# Allegro board SSOM_K1_Layout.brd (continued)
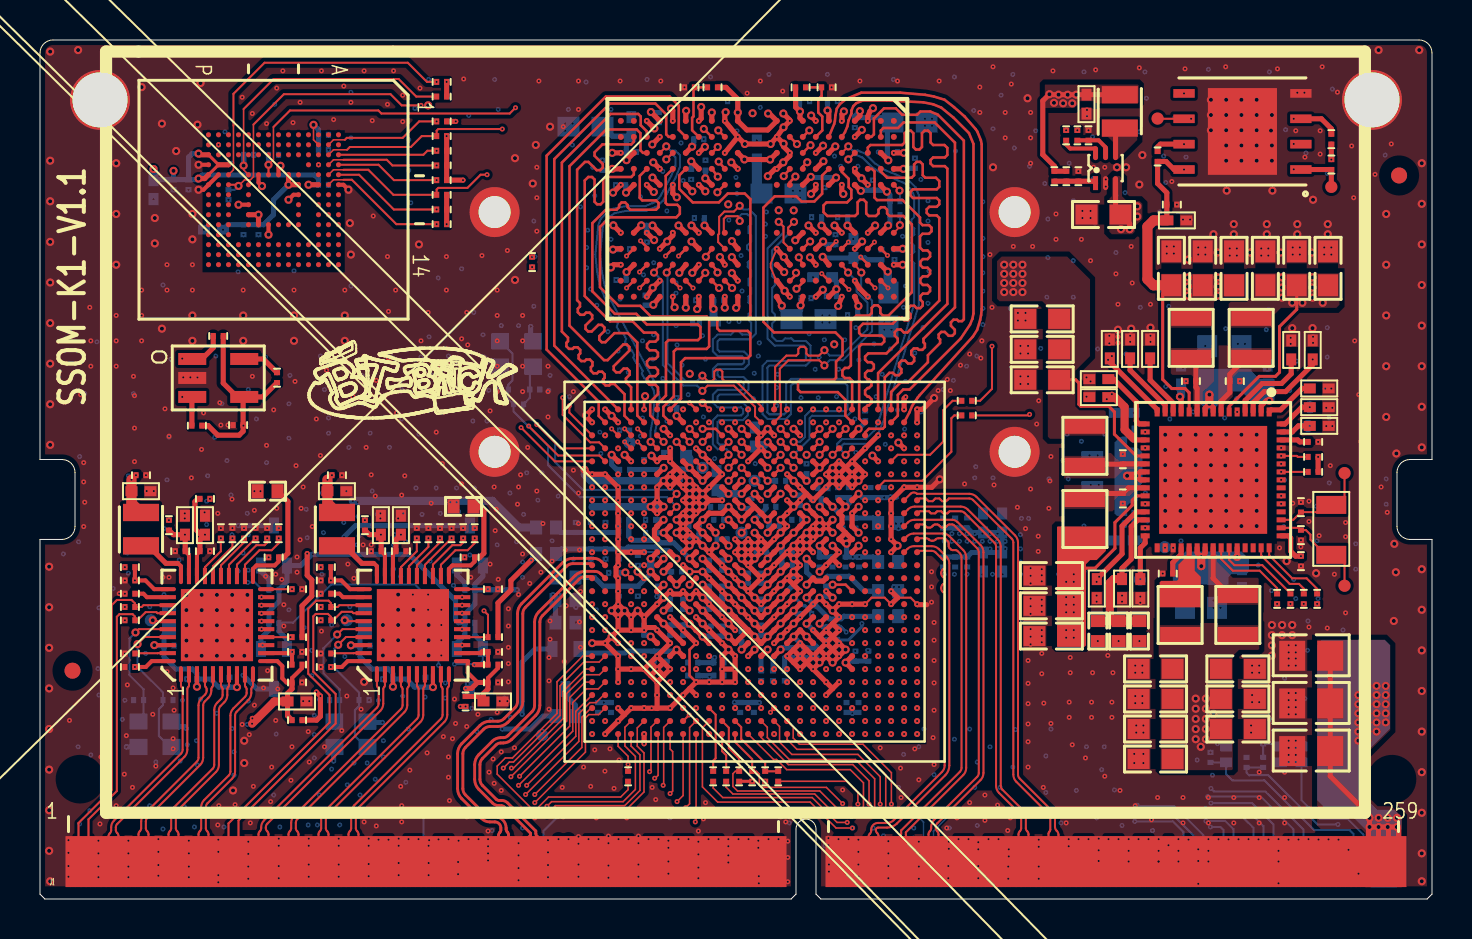
[diagram p0: board, top side]
## Routing (per net, layer and track width the routed paths; a pad name or vN(x,y) marks a point on that pad's centre or on a via; arc(x,y) is an arc through that point) (continued)
EMMC_D2: length 60.4
  TOP w0.102: U7.A5 15.95,36.25 17.69,34.51 v1(19.83,34.51)
  L3 w0.102: v1(43.86,23.21) 45.76,23.21 51.38,28.83 51.38,35.51 45.64,41.25 24.03,41.25 22.35,39.57 22.35,38.15 20.22,36.02 20.22,34.9 v1(19.83,34.51)
EMMC_D3: length 61.6
  TOP w0.076: U7.B2 14.67,38 15.24,38
  TOP w0.102: 15.24,38 15.34,38.1 18.14,38.1 18.96,38.92 v1(19.83,38.92)
  L3 w0.102: v1(43.21,21.91) 43.55,22.25 46.17,22.25 52.3,28.38 52.3,35.92 46.11,42.11 23.54,42.11 21,39.57 20.48,39.57 v1(19.83,38.92)
EMMC_D4: length 57.1
  TOP w0.076: U7.B3 14.43,37.25 14.67,37.5 15.35,37.5
  TOP w0.102: v1(23.11,38.54) 19.91,38.54 19.83,38.46 R85.1 19.09,38.19 18.54,37.64 15.49,37.64 15.35,37.5
  L3 w0.102: v1(23.11,38.54) 23.25,38.54 25.04,40.34 45.26,40.34 50.47,35.13 50.47,29.33 45.33,24.19 43.09,24.19 41.91,23.01 v1(41.91,22.56)
EMMC_D5: length 64.4
  TOP w0.076: U7.B4 14.67,37 15.17,37
  TOP w0.102: 15.17,37 17.34,37 17.62,36.72 v1(19.83,36.72)
  L3 w0.102: v1(19.83,36.72) 19.46,37.09 19.46,39.01 20.27,39.83 20.83,39.83 23.37,42.37 46.29,42.37 52.6,36.05 52.6,28.25 46.26,21.91 v1(43.86,21.91)
EMMC_D6: length 59.2
  TOP w0.076: U7.B5 14.43,36.25 14.67,36.5 15.17,36.5
  TOP w0.102: 15.17,36.5 16.42,36.5 17.67,35.25 R87.1 19.83,35.51 19.91,35.59 21.37,35.59 22.03,36.26 v1(22.35,36.26)
  L3 w0.102: v1(22.35,36.26) 22.35,37.14 25.3,40.08 45.09,40.08 50.16,35 50.16,29.51 45.17,24.51 43.05,24.51 41.26,22.71 v1(41.26,21.91)
EMMC_D7: length 61.2
  TOP w0.076: 15.17,36 14.67,36 U7.B6
  TOP w0.102: 15.17,36 15.59,36 17.82,33.78 v1(19.83,33.78)
  L3 w0.102: v1(43.21,23.21) 43.53,23.54 45.58,23.54 51.08,29.04 51.08,35.38 45.52,40.94 24.28,40.94 22.66,39.32 22.66,38 20.52,35.86 20.52,34.47 v1(19.83,33.78)
EMMC_DS: length 62.1
  TOP w0.076: 11.67,38.64 11.67,37 v5(11.43,36.75)
  TOP w0.102: U7.H5 v5(11.43,36.75) ; 11.67,38.64 12.5,39.47 16.92,39.47 17.07,39.32 23.49,39.32 v1(23.77,39.61)
  L3 w0.102: v1(42.56,23.21) 43.21,23.86 45.49,23.86 50.77,29.14 50.77,35.25 45.39,40.64 24.81,40.64 v1(23.77,39.61)
  BOTTOM w0.254: R91.2 v5(11.43,36.75)
EXT_32K_IN: length 3.8
  TOP w0.102: R13.2 R14.2 36.26,6.81 35.06,8.01 35.06,8.6 34.76,8.91 U1.AE12
GMAC0_INT_N: length 25.8
  L3 w0.102: v1(41.91,9.56) v2(42.15,9.31)
  L6 w0.102: v2(42.15,9.31) 42.09,9.37 v3(41.81,9.37)
  L7 w0.076: 38.23,11.38 38.48,11.13 40.56,11.13 40.79,10.9 40.79,10.67 41.02,10.44 41.02,10.06 41.71,9.37 v3(41.81,9.37)
  L7 w0.102: v6(21.24,15.48) 21.24,15.15 21.72,14.68 24.38,14.68 27.69,11.38 38.23,11.38
  BOTTOM w0.254: v6(21.24,15.48) 21.24,15.81 20.84,16.21 Q10.2 20.84,16.79
GMAC0_MDC: length 29
  L3 w0.102: v2(42.8,9.32) 42.56,9.56 v1(42.56,9.56) ; v1(21.11,12.71) v2(20.78,12.71)
  L6 w0.102: v3(21.79,15.39) 21.72,15.47 20.9,15.47 20.35,14.91 20.35,13.14 v2(20.78,12.71) ; v2(42.8,9.32) v3(42.55,9.07)
  L7 w0.076: v3(42.55,9.07) 42.55,9.35 41.92,9.97 41.81,9.97 41.67,10.11 41.67,10.14 41.19,10.62 41.16,10.62 40.97,10.81 40.97,11.13 40.79,11.3 38.63,11.3 38.35,11.58
  L7 w0.102: v3(21.79,15.39) 21.79,15.19 22.07,14.91 24.51,14.91 27.84,11.58 38.35,11.58
GMAC0_MDIO: length 29.5
  TOP w0.102: U10.14 R125.2 22.4,14.23 v1(22.2,14.43)
  L3 w0.102: v1(43.21,8.91) v2(43.45,8.66) ; v2(22.17,14.99) 22.2,14.96 v1(22.2,14.43)
  L6 w0.102: v2(43.45,8.66) v3(43.78,8.34) ; v3(22.17,15.37) v2(22.17,14.99)
  L7 w0.076: v3(43.78,8.34) 43.78,8.83 42.49,10.11 42.49,10.31 42.19,10.62 41.73,10.62 41.55,10.8 41.55,11.02 41.07,11.51 38.73,11.51 38.46,11.79
  L7 w0.102: v3(22.17,15.37) 22.43,15.11 24.64,15.11 27.97,11.79 38.46,11.79
GMAC0_REF0_CLK_25M: length 32.4
  TOP w0.102: J1.63 v1(16.93,2.97)
  L3 w0.102: v2(17.27,4.67) 17.22,4.62 17.22,3.27 v1(16.93,2.97) ; v1(42.56,8.26) v2(42.81,8.01)
  L6 w0.102: v2(17.27,4.67) 17.48,4.67 18.49,3.66 22.25,3.66 23.57,4.98 25.6,4.98 27.03,3.56 35.15,3.56 37.64,6.05 41.15,6.05 42.81,7.7 v2(42.81,8.01)
GMAC0_RSTN_L: length 26.1
  L3 w0.102: v1(40.61,12.81) v2(40.84,12.57)
  L5 w0.102: v2(20.73,11.4) 20.93,11.61 30.28,11.61 31.46,10.43 34.86,10.43 35.2,10.77 36.93,10.77 38.66,12.5 39.47,12.5 39.85,12.88 40.54,12.88 v2(40.84,12.57)
  L6 w0.102: v4(20.73,11.76) v2(20.73,11.4)
  BOTTOM w0.102: v4(20.73,11.76) 21.97,11.76 22.14,11.93 Q9.2
  BOTTOM w0.254: Q9.2 22.14,12.81 21.74,13.21 R111.2
GMAC0_RXCLK: length 27.6
  TOP w0.102: v1(18.84,18.06) 18.84,17.41 18.05,16.61 U10.27
  L3 w0.102: v2(38.9,10.61) v3(38.66,10.86) v1(38.66,10.86) ; v1(18.84,18.06) 18.84,17.88 v2(18.34,17.37)
  L6 w0.102: v2(38.9,10.61) v3(38.66,10.86) ; v2(18.34,17.37) v3(18.08,17.12)
  L7 w0.102: v3(38.66,10.86) 38.49,10.86 38.23,11.13 33.99,11.13 33.73,10.87 29.72,10.87 29.46,11.13 27.59,11.13 24.25,14.46 21.42,14.46 18.72,17.17 18.19,17.17 18.14,17.12 v3(18.08,17.12)
GMAC0_RXD0: length 28.9
  TOP w0.102: U10.25 18.85,16.7 20,17.86 v1(20,18.06)
  L3 w0.102: v1(38.66,9.56) v3(38.66,9.56) v2(38.9,9.31) ; v2(19.05,16.61) 20,17.56 v1(20,18.06)
  L6 w0.102: v3(18.54,16.1) v2(19.05,16.61) ; v2(38.9,9.31) v3(38.66,9.56)
  L7 w0.102: v3(18.54,16.1) 18.54,15.7 21.08,13.16 23.78,13.16 26.83,10.11 28.7,10.11 29.01,9.8 34.24,9.8 34.54,10.11 37.47,10.11 37.74,9.83 38.38,9.83 v3(38.66,9.56)
GMAC0_RXD1: length 27.1
  TOP w0.102: v1(20.58,18.06) 19.25,16.73 U10.24
  L3 w0.102: v2(19.41,16.21) 20.32,17.12 20.32,17.8 v1(20.58,18.06) ; v1(38.01,10.86) v3(38.01,10.86) v2(38.25,10.61)
  L6 w0.102: v2(38.25,10.61) v3(38.01,10.86) ; v2(19.41,16.21) v3(19.15,15.95)
  L7 w0.102: v3(38.01,10.86) 37.99,10.87 34.19,10.87 33.88,10.57 29.36,10.57 29.06,10.87 27.36,10.87 24.1,14.12 21.35,14.12 19.52,15.95 v3(19.15,15.95)
GMAC0_RXD2: length 28.5
  TOP w0.102: v1(21.16,18.06) 21.16,17.85 21.03,17.71 20.62,17.71 19.65,16.74 U10.23
  L3 w0.102: v1(38.01,9.56) v3(38.01,9.56) v2(38.25,9.31) ; v1(21.16,18.06) 20.68,17.58 20.68,16.76 v2(19.71,15.8)
  L6 w0.102: v3(19.41,14.38) 19.41,15.49 v2(19.71,15.8) ; v2(38.25,9.31) v3(38.01,9.56)
  L7 w0.102: v3(19.41,14.38) 20.98,12.8 23.72,12.8 26.97,9.55 38,9.55 v3(38.01,9.56)
GMAC0_RXD3: length 28
  TOP w0.102: U10.22 20.05,16.73 20.77,17.46 21.38,17.46 21.74,17.81 v7(21.74,18.06)
  L2 w0.102: v7(21.74,18.06) v8(21.47,17.8)
  L3 w0.102: v8(21.47,17.8) 20.93,17.25 20.93,16.26 v2(20.07,15.39) ; v1(38.01,10.21) v3(38.01,10.21) v2(38.25,9.96)
  L6 w0.102: v3(19.81,14.83) 19.81,15.14 v2(20.07,15.39) ; v2(38.25,9.96) v3(38.01,10.21)
  L7 w0.102: v3(38.01,10.21) 37.65,10.21 37.49,10.36 34.44,10.36 34.14,10.06 29.11,10.06 28.8,10.36 27.02,10.36 23.92,13.46 21.18,13.46 v3(19.81,14.83)
GMAC0_RXDV: length 28.2
  TOP w0.102: v1(19.42,18.06) 19.42,17.63 18.45,16.66 U10.26
  L3 w0.102: v2(38.9,9.96) v3(38.66,10.21) v1(38.66,10.21) ; v2(18.75,17.02) 19.42,17.69 v1(19.42,18.06)
  L6 w0.102: v2(38.9,9.96) v3(38.66,10.21) ; v2(18.75,17.02) v3(18.49,16.76)
  L7 w0.102: v3(18.49,16.76) 18.85,16.41 18.85,15.8 19.3,15.34 19.76,15.34 21.29,13.82 23.98,13.82 27.18,10.62 28.91,10.62 29.21,10.31 34.04,10.31 34.34,10.62 37.69,10.62 37.74,10.57 38.3,10.57 v3(38.66,10.21)
GMAC0_TXCLK: length 23.4
  TOP w0.102: U10.20 22.4,15.51 v1(22.4,15.51)
  L3 w0.102: v1(38.01,8.26) 38.01,8.26 v2(38.25,8.01) ; v2(22.68,15.14) 22.68,15.23 v1(22.4,15.51)
  L6 w0.102: v2(22.68,15.14) 22.86,14.96 22.86,11.07 v3(22.66,10.87) ; v2(38.25,8.01) v3(38.01,8.26)
  L7 w0.102: v3(38.01,8.26) 37.93,8.18 25.83,8.18 23.14,10.87 v3(22.66,10.87)
GMAC0_TXD0: length 23.3
  L3 w0.102: v1(38.66,8.26) 38.66,8.26 v2(38.9,8.01) ; v1(21.11,14.71) 20.78,14.71 v2(20.78,14.71)
  L6 w0.102: v2(38.9,8.01) v3(38.66,8.26) ; v3(22.15,11.23) 22.15,14.12 21.56,14.71 v2(20.78,14.71)
  L7 w0.076: v3(38.66,8.26) 38.4,8.51 37.82,8.51 37.8,8.48
  L7 w0.102: 37.8,8.48 25.96,8.48 23.22,11.23 22.15,11.23 v3(22.15,11.23)
GMAC0_TXD1: length 21.6
  L3 w0.102: v1(21.11,14.31) v2(21.44,14.31) ; v1(38.66,8.91) 38.66,8.91 v2(38.9,8.66)
  L6 w0.102: v2(38.9,8.66) v3(38.66,8.91) ; v3(21.84,12.09) 21.84,13.9 v2(21.44,14.31)
  L7 w0.076: 37.39,9.09 37.44,9.14 38.42,9.14 v3(38.66,8.91)
  L7 w0.102: v3(21.84,12.09) 21.89,12.14 23.52,12.14 26.57,9.09 37.39,9.09
GMAC0_TXD2: length 22.8
  L3 w0.102: v1(21.11,13.91) v2(20.75,13.91) ; v1(39.31,8.26) 39.31,8.26 v2(39.55,8.01)
  L6 w0.102: v3(21.49,11.79) 21.49,13.16 20.75,13.89 v2(20.75,13.91) ; v2(39.55,8.01) v3(39.31,8.26)
  L7 w0.076: 39.29,8.26 38.88,8.66 37.67,8.66 37.64,8.69
  L7 w0.102: 39.29,8.26 v3(39.31,8.26) ; 37.64,8.69 26.11,8.69 23.25,11.55 21.67,11.55 21.49,11.73 v3(21.49,11.79)
GMAC0_TXD3: length 21.6
  L3 w0.102: v1(39.31,8.91) 39.31,8.91 v2(39.55,8.66) ; v1(21.11,13.51) v2(20.87,13.27)
  L6 w0.102: v3(21.18,12.4) 21.18,12.95 v2(20.87,13.27) ; v2(39.55,8.66) v3(39.31,8.91)
  L7 w0.076: v3(39.31,8.91) 39.25,8.91 38.86,9.3 37.28,9.3
  L7 w0.102: 37.28,9.3 26.8,9.3 23.7,12.4 v3(21.18,12.4)
GMAC0_TXEN: length 21.5
  L3 w0.102: v2(38.25,8.66) 38.01,8.91 v1(38.01,8.91) ; v1(21.11,15.11) v2(21.44,15.11)
  L6 w0.102: v2(38.25,8.66) v3(38.01,8.91) ; v3(22.5,11.85) 22.5,14.07 21.47,15.11 v2(21.44,15.11)
  L7 w0.102: v3(22.5,11.85) 23.41,11.85 26.37,8.89 37.54,8.89 37.56,8.91 v3(38.01,8.91)
GMAC1_INT_N: length 52.2
  L3 w0.102: v1(41.91,10.21) v2(42.15,9.96) ; v2(10.03,15.85) 10.41,15.85 10.77,15.49 10.77,12.6 11,12.37 11,5.97 12.67,4.29 15.93,4.29 v2(16.59,4.95)
  L6 w0.102: v2(16.59,4.95) v3(16.84,4.7) ; v2(42.15,9.96) v3(41.91,10.21) ; v4(10.39,15.85) v2(10.03,15.85)
  L7 w0.076: 42.84,8.83 42.84,9.27 v3(41.91,10.21)
  L7 w0.102: 42.84,8.83 42.7,8.69 42.7,6.2 41.12,4.62 16.92,4.62 v3(16.84,4.7)
  BOTTOM w0.102: R175.2 11.12,15.48 10.74,15.85 v4(10.39,15.85)
  BOTTOM w0.254: R175.2 11.45,16.01 11.05,16.41 Q12.2 11.05,16.79
GMAC1_MDC: length 44.9
  L3 w0.102: v2(17.04,5.41) 16.54,5.41 15.7,4.57 12.78,4.57 11.23,6.12 11.23,12.61 v1(11.13,12.71) ; v1(40.61,10.86) v2(40.85,10.61)
  L6 w0.102: v2(17.04,5.41) v3(17.4,5.41) ; v2(40.85,10.61) 40.65,10.61 v3(40.53,10.73)
  L7 w0.076: v3(40.53,10.73) 40.53,10.68 40.84,10.36 40.84,9.98 41.68,9.14 41.68,8.97 41.8,8.85
  L7 w0.102: 41.8,8.85 42.21,8.43 42.21,6.55 40.79,5.13 17.68,5.13 v3(17.4,5.41)
GMAC1_MDIO: length 44.1
  TOP w0.102: U11.14 12.6,13.11 R185.2
  L3 w0.102: v1(41.26,10.21) v2(41.5,9.96) ; v2(15.09,6.55) 14.78,6.25 13.41,6.25 12.53,7.13 v1(12.53,13.11)
  L6 w0.102: v2(41.5,9.96) v3(41.26,10.21) ; v3(15.39,6.25) v2(15.09,6.55)
  L7 w0.076: v3(41.26,10.21) 41.76,9.7 41.88,9.7 42.15,9.44 42.15,8.9
  L7 w0.102: v3(15.39,6.25) 15.7,6.25 17.07,4.88 41,4.88 42.44,6.32 42.44,8.61 42.15,8.9
GMAC1_REF0_CLK_25M: length 32.7
  TOP w0.102: J1.65 v1(17.42,2.97)
  L3 w0.102: v8(41.91,8.91) v2(42.15,8.66) ; v1(17.42,2.97) 17.68,3.23 v2(17.68,5.08)
  L6 w0.102: v2(42.15,8.66) 42.16,8.66 42.48,8.34 42.48,7.84 41.1,6.45 37.44,6.45 34.75,3.76 27.28,3.76 25.81,5.23 23.27,5.23 22.05,4.01 18.75,4.01 v2(17.68,5.08)
GMAC1_RSTN_L: length 44.6
  L3 w0.102: v1(43.86,12.16) v2(44.1,11.91)
  L5 w0.102: v2(44.1,11.91) 44.53,11.91 44.81,12.19 44.81,14.22 44.45,14.58 41.1,14.58 39.3,12.78 38.45,12.78 37.09,11.42 37.09,11.42 36.77,11.1 35.08,11.1 34.68,10.7 31.56,10.7 30.4,11.86 20.62,11.86 v2(20.19,11.43)
  L6 w0.102: v2(44.1,11.91) v3(44.35,12.16) ; v4(19.93,11.7) v2(20.19,11.43)
  BOTTOM w0.102: R171.2 12.65,13.83 14.57,15.75 18.75,15.75 19.93,14.57 v4(19.93,11.7)
  BOTTOM w0.254: R171.2 11.95,13.4 12.35,13 Q11.2
GMAC1_RXCLK: length 44.7
  TOP w0.102: U11.27 8.25,16.61 9.04,17.41 v1(9.04,18.06)
  L3 w0.102: v1(9.04,18.06) 9.04,17.73 12.83,13.94 12.83,9.8 13.84,8.79 17.12,8.79 17.53,8.38 v2(17.63,8.38) ; v1(39.31,11.51) 39.31,11.51 v2(39.55,11.26)
  L6 w0.102: v2(39.55,11.26) 39.55,11.08 v3(39.29,10.82) ; v3(17.88,8.64) v2(17.63,8.38)
  L7 w0.076: v3(39.29,10.82) 39.29,10.03 39.72,9.6 39.72,7.95 39.34,7.57
  L7 w0.102: 39.34,7.57 21.52,7.57 19.76,9.32 18.57,9.32 v3(17.88,8.64)
GMAC1_RXD0: length 41.6
  TOP w0.102: U11.25 9.05,16.7 10.2,17.86 v1(10.2,18.06)
  L3 w0.102: v1(10.2,18.06) 10.2,17.31 13.23,14.27 13.23,10.11 14.05,9.3 17.53,9.3 v2(17.65,9.17) ; v1(39.31,9.56) v3(39.31,9.56) v2(39.55,9.31)
  L6 w0.102: v2(17.65,9.17) 17.93,9.45 v3(17.93,9.5) ; v2(39.55,9.31) v3(39.31,9.56)
  L7 w0.076: 39.34,7.87 39.57,8.1 39.57,9.3 v3(39.31,9.56)
  L7 w0.102: v3(17.93,9.5) 18.08,9.65 19.86,9.65 21.64,7.87 39.34,7.87
GMAC1_RXD1: length 43.7
  TOP w0.102: U11.24 9.45,16.73 v1(10.78,18.06)
  L3 w0.102: v2(18.75,8.53) 18.75,9.25 18.19,9.8 14.38,9.8 13.69,10.49 13.69,14.91 10.78,17.82 v1(10.78,18.06) ; v2(40.2,9.96) v3(39.96,10.21) v8(39.96,10.21)
  L6 w0.102: v2(18.75,8.53) v3(19,8.28) ; v2(40.2,9.96) v3(39.96,10.21)
  L7 w0.076: v3(39.96,10.21) 39.96,9.97 40.37,9.56 40.37,7.56 40.2,7.39
  L7 w0.102: 40.2,7.39 39.56,6.76 20.96,6.76 19.43,8.28 v3(19,8.28)
GMAC1_RXD2: length 42.2
  TOP w0.102: v1(11.36,18.06) 11.36,17.85 11.23,17.71 10.82,17.71 9.85,16.74 U11.23
  L3 w0.102: v2(19.25,8.79) 19.25,9.14 18.39,10.01 14.58,10.01 13.94,10.64 13.94,15.01 11.36,17.6 v1(11.36,18.06) ; v1(39.96,9.56) v3(39.96,9.56) v2(40.2,9.31)
  L6 w0.102: v2(19.25,8.79) v3(19.48,8.56) ; v2(40.2,9.31) v3(39.96,9.56)
  L7 w0.076: v3(39.96,9.56) 40.22,9.3 40.22,7.73 40.05,7.56
  L7 w0.102: v3(19.48,8.56) 19.49,8.56 19.56,8.56 21.16,6.96 39.45,6.96 40.05,7.56
GMAC1_RXD3: length 50.1
  TOP w0.102: U11.22 10.25,16.73 10.97,17.46 11.58,17.46 11.94,17.81 v1(11.94,18.06)
  L3 w0.102: v1(40.61,10.21) v2(40.85,9.96) ; v2(17.88,6.35) 19.76,8.23 19.76,9.09 18.59,10.26 14.73,10.26 14.17,10.82 14.17,15.24 11.94,17.48 v1(11.94,18.06)
  L6 w0.102: v3(18.64,6.1) 18.14,6.1 v2(17.88,6.35) ; v2(40.85,9.96) v3(40.61,10.21)
  L7 w0.076: v3(40.61,10.21) 40.61,9.96 41.5,9.07 41.5,8.65 41.67,8.48 41.67,6.78 41.55,6.66
  L7 w0.102: 41.55,6.66 40.43,5.54 19.2,5.54 v3(18.64,6.1)
GMAC1_RXDV: length 47.1
  TOP w0.102: v1(9.62,18.06) 9.62,17.63 8.65,16.66 U11.26
  L3 w0.102: v2(18.43,7.45) 18.45,7.48 18.45,8.17 17.83,8.79 17.5,8.79 17.25,9.04 13.92,9.04 13.03,9.93 13.03,14.1 9.62,17.51 v1(9.62,18.06) ; v1(39.96,11.51) v2(40.2,11.26)
  L6 w0.102: v3(40.11,10.72) 40.2,10.81 v2(40.2,11.26) ; v3(18.69,7.19) v2(18.43,7.45)
  L7 w0.076: v3(40.11,10.72) 40.3,10.52 40.3,10.01 41.02,9.3 41.02,7.15 40.89,7.01
  L7 w0.102: v3(18.69,7.19) 19.05,7.19 20.09,6.15 40.02,6.15 40.89,7.01
GMAC1_TXCLK: length 36.6
  TOP w0.102: U11.20 12.6,15.51 v1(12.6,15.51)
  L3 w0.102: v1(12.6,15.51) 12.6,15.49 13.46,14.63 13.46,10.31 14.22,9.55 17.88,9.55 v2(18.26,9.17) ; v2(40.2,8.66) 39.96,8.91 v8(39.96,8.91)
  L6 w0.102: v2(18.26,9.17) 18.41,9.17 v3(18.62,8.97) ; v2(40.2,8.66) v3(39.96,8.91)
  L7 w0.102: v3(39.96,8.91) 39.96,7.81 39.41,7.26 21.36,7.26 19.66,8.97 v3(18.62,8.97)
GMAC1_TXD0: length 41.7
  L3 w0.102: v2(40.85,8.66) 40.61,8.91 v8(40.61,8.91) ; v1(11.07,14.71) 11.13,14.71 12.04,13.79 12.04,6.76 13.11,5.69 15.14,5.69 16.94,7.49 v2(17.63,7.49)
  L6 w0.102: v2(40.85,8.66) v3(40.61,8.91) ; v2(17.63,7.49) v3(17.96,7.49)
  L7 w0.076: 40.73,7.19 40.87,7.33 40.87,8.65 v3(40.61,8.91)
  L7 w0.102: 40.73,7.19 39.89,6.35 20.41,6.35 19.27,7.5 17.96,7.5 v3(17.96,7.49)
GMAC1_TXD1: length 41.4
  L3 w0.102: v1(41.26,8.26) 41.26,8.26 v2(41.5,8.01) ; v1(11.07,14.3) 11.15,14.3 11.84,13.61 11.84,6.58 13.03,5.38 15.29,5.38 16.87,6.96 v2(17.81,6.96)
  L6 w0.102: v2(41.5,8.01) v3(41.26,8.26) ; v2(17.81,6.96) v3(18.16,6.96)
  L7 w0.102: v3(18.16,6.96) 18.22,6.9 18.9,6.9 19.86,5.94 40.12,5.94 41.26,7.08 v3(41.26,8.26)
GMAC1_TXD2: length 42.3
  L3 w0.102: v1(41.26,8.91) 41.26,8.91 v2(41.5,8.66) ; v1(11.08,13.91) 11.63,13.36 11.63,6.43 12.93,5.13 15.39,5.13 16.81,6.55 v2(17.14,6.55)
  L6 w0.102: v2(17.14,6.55) v3(17.48,6.55) ; v2(41.5,8.66) v3(41.26,8.91)
  L7 w0.076: v3(41.26,8.91) 41.26,8.63 41.52,8.37 41.52,7.03 41.37,6.88
  L7 w0.102: 41.37,6.88 40.22,5.74 19.44,5.74 18.63,6.55 v3(17.48,6.55)
GMAC1_TXD3: length 42
  L3 w0.102: v2(17.49,5.96) 16.68,5.96 15.54,4.83 12.9,4.83 11.43,6.3 11.43,13.16 v1(11.08,13.51) ; v1(41.91,8.26) 41.91,8.26 v2(42.15,8.01)
  L6 w0.102: v2(42.15,8.01) v3(41.91,8.26) ; v2(17.49,5.96) v3(17.73,5.71)
  L7 w0.102: v3(41.91,8.26) 41.91,6.66 40.58,5.33 18.11,5.33 v3(17.73,5.71)
GMAC1_TXEN: length 40.7
  L3 w0.102: v2(17.93,7.92) 17.02,7.92 15.04,5.94 13.28,5.94 12.24,6.98 12.24,13.94 v1(11.07,15.11) ; v1(40.61,8.26) 40.61,8.26 v2(40.85,8.01)
  L6 w0.102: v2(40.85,8.01) v3(40.61,8.26) ; v2(17.93,7.92) v3(18.29,7.92)
  L7 w0.102: v3(40.61,8.26) 40.61,8.25 40.61,7.45 39.72,6.55 20.66,6.55 19.29,7.92 v3(18.29,7.92)
GPIO_47: length 19.1
  L3 w0.076: v1(35.41,10.21) 35.65,9.96 35.65,9.31 35.91,9.06 35.91,8.14 37.59,6.45 43.61,6.45 44.96,5.11 44.96,4.7 v2(45.29,4.37)
  L6 w0.076: v4(49.68,2.61) 49.6,2.54 46.38,2.54 45.64,3.28 45.64,4.01 v2(45.29,4.37)
GPIO_48: length 19.3
  L3 w0.076: v2(45.29,3.78) 44.78,4.29 44.78,5.03 43.54,6.27 37.52,6.27 35.76,8.03 35.76,8.95 35.41,9.3 v1(35.41,9.56)
  L6 w0.076: v2(45.29,3.78) 45.29,3.28 46.23,2.34 49.9,2.34 v4(50.17,2.61)
GPIO_74: length 19
  TOP w0.076: U1.Y2 27.96,11.86 27.2,11.86 26,10.67 26,9.19 23.67,6.86 23.47,6.86 v1(23.16,6.55)
  L3 w0.076: v2(27.29,0.98) 27.1,1.17 23.72,1.17 22.73,2.16 22.73,6.12 v1(23.16,6.55)
  L6 w0.102: v4(27.67,1.27) 27.57,1.27 v2(27.29,0.98)
  BOTTOM w0.102: J1.106 v4(27.67,1.27)
GPIO_90: length 18.8
  TOP w0.076: v1(25.76,4.27) 25.98,4.5 26.29,4.5 26.3,4.51 26.58,4.51 26.6,4.5 29.34,4.5 30.2,5.36 30.2,7.32 29.86,7.65 29.86,8.57 U1.AE5
  L3 w0.102: v1(25.76,4.27) 25.76,3.94 v2(25.2,3.38)
  L6 w0.102: v4(33.68,2.39) 33.17,2.9 25.68,2.9 v2(25.2,3.38)
GPIO_91: length 12.3
  TOP w0.076: U1.AE6 30.55,8.6 30.55,6.44 v1(30.48,6.38)
  L3 w0.102: v1(30.48,6.38) 30.35,6.25 v2(30.18,6.25)
  L5 w0.102: v2(30.18,6.25) 30.12,6.2 30.12,4.04 31.95,2.21 33.88,2.21 34.19,1.91 v2(34.19,1.19)
  L6 w0.102: v2(34.19,1.19) v4(34.19,0.84)
  BOTTOM w0.102: J1.132 34.17,1.21 v2(34.19,1.19) v4(34.19,0.84)
  vias: v9(34.29,0.76)
GPIO_92: length 19
  TOP w0.076: U1.AE4 29.24,8.6 29.24,7.66 29.77,7.14 29.77,5.49 29.16,4.88 25.58,4.88 v1(25.35,4.64)
  L3 w0.102: v1(25.35,4.64) 25.14,4.64 v2(24.77,4.27)
  L6 w0.102: v2(24.77,4.27) 24.46,3.96 24.46,3.23 25.3,2.39 32.12,2.39 v4(32.17,2.34)
  BOTTOM w0.102: v4(32.17,2.34) J1.124
GPIO_96: length 23.7
  TOP w0.076: U1.AE10 33.12,8.58 33.12,5.61 33.88,4.85 38.51,4.85 39.8,3.56 v1(40.61,3.56)
  L3 w0.076: 41.58,0.89 41.07,1.4 41.07,3.23 40.74,3.56 v1(40.61,3.56)
  L3 w0.102: v2(49.17,0.74) 49.1,0.74 48.95,0.89 41.58,0.89
  L6 w0.102: v2(49.17,0.74) v4(49.17,1.09)
  BOTTOM w0.102: J1.184 v4(49.17,1.09)
HDMI_CEC: length 11.5
  TOP w0.076: U1.AF6 30.9,8.21 30.9,6.19 30.76,6.05 v1(30.73,6.05)
  L3 w0.102: v1(30.73,6.05) v2(30.51,5.82)
  L5 w0.102: v2(35.17,1.42) 35.17,1.88 34.57,2.49 32.23,2.49 30.51,4.22 v2(30.51,5.82)
  L6 w0.102: v4(35.17,1.07) v2(35.17,1.42)
  BOTTOM w0.102: J1.136 v4(35.17,1.07)
HDMI_HPD: length 11.5
  TOP w0.076: v1(31.16,5.69) 31.18,5.72 31.18,8.59 U1.AE7
  L3 w0.102: v1(31.16,5.69) v2(30.9,5.44)
  L5 w0.102: v2(30.9,5.44) 30.9,4.07 32.18,2.79 34.7,2.79 v2(35.66,1.83)
  L6 w0.102: v2(35.66,1.83) v4(35.66,1.47)
  BOTTOM w0.102: J1.138 35.68,1.49 v4(35.66,1.47)
HDMI_SCL: length 16.3
  L3 w0.076: v2(43.54,4.85) 43.54,5.05 43,5.59 37.24,5.59 34.59,8.23 34.59,8.71 33.46,9.85 v1(33.46,10.21)
  L6 w0.076: v4(43.66,3.05) 43.17,3.54 43.17,4.48 v2(43.54,4.85)
  BOTTOM w0.076: v4(43.66,3.05) 43.68,3.04 J1.162
HDMI_TX0N: length 11.2
  TOP w0.102: J1.135 v1(34.92,3)
  L3 w0.102: v1(34.92,3) 35,3.07 arc(35.04,3.14) 35.06,3.21 35.06,3.41 arc(35.04,3.52) 34.98,3.6 30.07,8.51 arc(29.96,8.68) 29.92,8.87 29.92,10.38 arc(29.96,10.56) 30.06,10.71 v8(30.21,10.86)
HDMI_TX0P: length 10.5
  TOP w0.102: J1.137 v1(35.42,3)
  L3 w0.102: v8(30.21,10.21) 30.16,10.16 30.16,8.87 arc(30.18,8.77) 30.24,8.68 35.14,3.77 arc(35.25,3.6) 35.29,3.41 35.29,3.21 arc(35.31,3.14) 35.35,3.07 v1(35.42,3)
HDMI_TX1N: length 11.8
  TOP w0.102: J1.141 v1(36.42,3)
  L3 w0.102: v1(36.42,3) 36.48,3.05 arc(36.51,3.1) 36.52,3.15 36.52,3.56 arc(36.48,3.67) 36.37,3.71 35.97,3.71 arc(35.78,3.75) 35.61,3.86 31.18,8.3 arc(31.06,8.46) 31.03,8.66 31.03,9.97 31.22,10.17 31.22,10.38 arc(31.26,10.56) 31.36,10.71 v8(31.51,10.86)
HDMI_TX1P: length 11.1
  TOP w0.102: J1.143 v1(36.92,3)
  L3 w0.102: v1(36.92,3) 36.83,3.09 arc(36.77,3.18) 36.75,3.28 36.75,3.56 arc(36.64,3.83) 36.37,3.94 35.97,3.94 arc(35.87,3.96) 35.78,4.02 31.34,8.46 arc(31.28,8.55) 31.26,8.66 31.26,9.87 31.46,10.07 31.46,10.16 v8(31.51,10.21)
HDMI_TX2N: length 14.9
  TOP w0.102: J1.147 v1(39.92,3)
  L3 w0.102: v1(39.92,3) 39.92,3.08 39.32,3.68 39.32,3.96 38.84,4.44 arc(38.75,4.5) 38.65,4.52 36.1,4.52 arc(35.91,4.56) 35.74,4.67 31.74,8.67 arc(31.63,8.83) 31.6,9.03 31.6,9.63 arc(31.63,9.8) 31.73,9.95 31.81,10.03 arc(31.85,10.1) 31.87,10.19 31.87,11.04 arc(31.91,11.21) 32.01,11.36 v8(32.16,11.51)
HDMI_TX2P: length 14.3
  TOP w0.102: J1.149 v1(40.42,3)
  L3 w0.102: v1(40.42,3) 40.34,3 39.55,3.78 39.55,4.06 39.01,4.61 arc(38.84,4.72) 38.65,4.75 36.1,4.75 arc(36,4.78) 35.91,4.84 31.91,8.83 arc(31.85,8.92) 31.83,9.03 31.83,9.63 arc(31.85,9.71) 31.89,9.78 31.97,9.86 arc(32.07,10.01) 32.11,10.19 32.11,10.81 v8(32.16,10.86)
HDMI_TXCN: length 11.3
  TOP w0.102: J1.129 v1(33.42,3)
  L3 w0.102: v8(29.56,10.86) 29.41,10.71 arc(29.31,10.56) 29.27,10.38 29.27,7.95 arc(29.31,7.75) 29.42,7.59 29.65,7.36 arc(29.81,7.25) 30,7.21 30.42,7.21 arc(30.52,7.19) 30.61,7.13 33.47,4.27 arc(33.53,4.18) 33.55,4.08 33.55,3.21 arc(33.54,3.13) 33.5,3.07 v1(33.42,3)
HDMI_TXCP: length 10.5
  TOP w0.102: J1.131 v1(33.93,3)
  L3 w0.102: v1(33.93,3) 33.85,3.07 arc(33.8,3.14) 33.79,3.22 33.79,4.08 arc(33.75,4.27) 33.64,4.44 30.78,7.3 arc(30.61,7.41) 30.42,7.45 30,7.45 arc(29.9,7.47) 29.81,7.53 29.59,7.75 arc(29.53,7.84) 29.51,7.95 29.51,10.16 v8(29.56,10.21)
HMDI_SDA: length 17.2
  L3 w0.076: v2(43.51,4.32) 43.18,4.65 43.18,5.11 42.86,5.42 37.15,5.42 34.44,8.13 34.44,8.64 33.22,9.86 32.46,9.86 32.17,9.56 v1(32.16,9.56)
  L6 w0.076: v2(43.51,4.32) 43.71,4.32 v4(43.84,4.19)
  BOTTOM w0.076: v4(43.84,4.19) 44.17,3.86 J1.164
I2S0_LRCK: length 26.3
  L3 w0.102: v1(43.21,12.81) v2(43.45,12.56)
  L6 w0.102: v2(43.45,12.56) v3(43.7,12.81)
  L7 w0.102: v3(43.7,12.81) 44.02,13.13 53.29,13.13 56.52,9.91 56.52,5.97 57.96,4.52 v6(58.28,4.52)
  BOTTOM w0.102: J1.232 61.17,3.65 60.3,4.52 v6(58.28,4.52)
I2S0_RXD: length 33.4
  L3 w0.102: v2(40.88,13.19) v1(40.61,13.46)
  L6 w0.102: v2(40.88,13.19) v3(41.14,12.92)
  L7 w0.102: v6(62.17,3.02) 62.31,3.15 62.31,9.02 55.5,15.83 43.56,15.83 41.42,13.68 41.42,13.2 v3(41.14,12.92)
  BOTTOM w0.102: J1.236 v6(62.17,3.02)
I2S0_SCLK: length 24.7
  L3 w0.102: v1(43.86,12.81) 43.86,12.81 v2(44.1,12.56)
  L6 w0.102: v2(44.1,12.56) v3(44.35,12.81)
  L7 w0.102: v6(58.55,4.22) 57.81,4.22 56.26,5.77 56.26,9.48 52.93,12.81 v3(44.35,12.81)
  BOTTOM w0.102: J1.230 60.68,3.56 60.02,4.22 v6(58.55,4.22)
I2S0_SYSCLK: length 26.3
  L3 w0.102: v2(44.1,13.21) 43.86,13.46 v1(43.86,13.46)
  L6 w0.102: v2(44.1,13.21) v3(44.35,13.46)
  L7 w0.102: v3(44.35,13.46) 53.6,13.46 56.77,10.29 56.77,6.22 58.19,4.8 v6(58.55,4.8)
  BOTTOM w0.102: J1.234 61.68,3.73 60.6,4.8 v6(58.55,4.8)
I2S0_TXD: length 28
  L3 w0.102: v1(42.56,13.46) v2(42.8,13.21)
  L6 w0.102: v2(42.8,13.21) v3(43.05,13.46)
  L7 w0.102: v3(43.05,13.46) 43.05,13.76 43.92,14.63 54.68,14.63 59.56,9.75 59.56,3.61 v6(60.17,2.99)
  BOTTOM w0.102: J1.228 v6(60.17,2.99)
I2S1_LRCK: length 29.7
  L3 w0.102: v1(41.26,12.16) v2(41.5,11.91)
  L6 w0.102: v2(41.5,11.91) v3(41.75,12.16)
  L7 w0.102: v3(41.75,12.16) 42.07,12.48 42.72,12.48 43.37,13.13 43.37,13.75 44.01,14.39 54.51,14.39 59.31,9.6 59.31,3.33 58.95,2.97 v6(58.68,2.97)
  BOTTOM w0.102: J1.222 v6(58.68,2.97)
I2S1_RXD: length 23.8
  L3 w0.102: v1(43.21,12.16) v2(43.45,11.91)
  L6 w0.102: v2(43.45,11.91) v3(43.7,12.16)
  L7 w0.076: v3(43.7,12.16) 43.94,12.4 44.59,12.4 44.75,12.24
  L7 w0.102: 44.75,12.24 52.68,12.24 55.75,9.17 55.75,5.31 57.45,3.61 v6(58.52,3.61)
  BOTTOM w0.102: J1.224 59.17,3.46 59.03,3.61 v6(58.52,3.61)
I2S1_SCLK: length 22.4
  L3 w0.102: v1(43.21,11.51) v2(43.45,11.26)
  L6 w0.102: v2(43.45,11.26) v3(43.7,11.51)
  L7 w0.102: v6(54.86,4.7) 54.86,8.87 52.31,11.43 43.78,11.43 v3(43.7,11.51)
  BOTTOM w0.102: v6(54.86,4.7) 54.91,4.65 56.72,4.65 58.17,3.19 J1.220
I2S1_TXD: length 25.7
  L3 w0.102: v1(41.91,12.16) v2(42.15,11.91)
  L6 w0.102: v2(42.15,11.91) v3(42.4,12.16)
  L7 w0.076: v3(42.4,12.16) 42.72,12.16 43.13,12.56 44.92,12.56 45,12.48
  L7 w0.102: 45,12.48 52.85,12.48 56.01,9.33 56.01,5.59 57.68,3.91 v6(58.29,3.91)
  BOTTOM w0.102: J1.226 59.68,3.49 59.26,3.91 v6(58.29,3.91)
JTAG_SEL: length 18.1
  TOP w0.076: v1(25.35,4.26) 25.77,4.68 29.24,4.68 30,5.44 30,7.21 29.56,7.66 U1.AF4
  L3 w0.102: v1(25.35,4.26) v2(24.84,3.75)
  L6 w0.102: v2(24.84,3.75) 24.84,3.2 25.4,2.64 32.47,2.64 32.67,2.44 v4(32.67,2.39)
  BOTTOM w0.102: J1.126 v4(32.67,2.39)
LCD_BL_EN_1V8: length 11.5
  TOP w0.076: U1.AF7 31.51,7.51 31.63,7.38 31.63,5.41 v1(31.51,5.28)
  L3 w0.102: v1(31.51,5.28) v2(31.28,5.05)
  L5 w0.102: v2(31.28,5.05) 31.19,4.97 31.19,4.11 32.26,3.05 35.13,3.05 36.17,2 v2(36.17,1.68)
  L6 w0.102: v2(36.17,1.68) v4(36.17,1.32)
  BOTTOM w0.102: J1.140 v4(36.17,1.32)
LCD_BL_PWM_1V8: length 27.3
  L3 w0.102: v1(41.26,10.86) v2(41.5,10.61)
  L6 w0.102: v4(25.86,4.11) 26.62,3.35 35.33,3.35 37.62,5.64 41.4,5.64 43.48,7.72 v3(43.48,7.98) ; v2(41.5,10.61) v3(41.26,10.86)
  L7 w0.076: v3(43.48,7.98) 43.48,8.18 43.08,8.59 43.08,9.3 42.29,10.08 42.29,10.26 42.09,10.46 41.65,10.46 v3(41.26,10.86)
  BOTTOM w0.102: J1.96 25.17,3.41 25.86,4.09 v4(25.86,4.11)
